# Altium PCB PCB_SDR.PcbDoc (part 5 of 6) (continued)
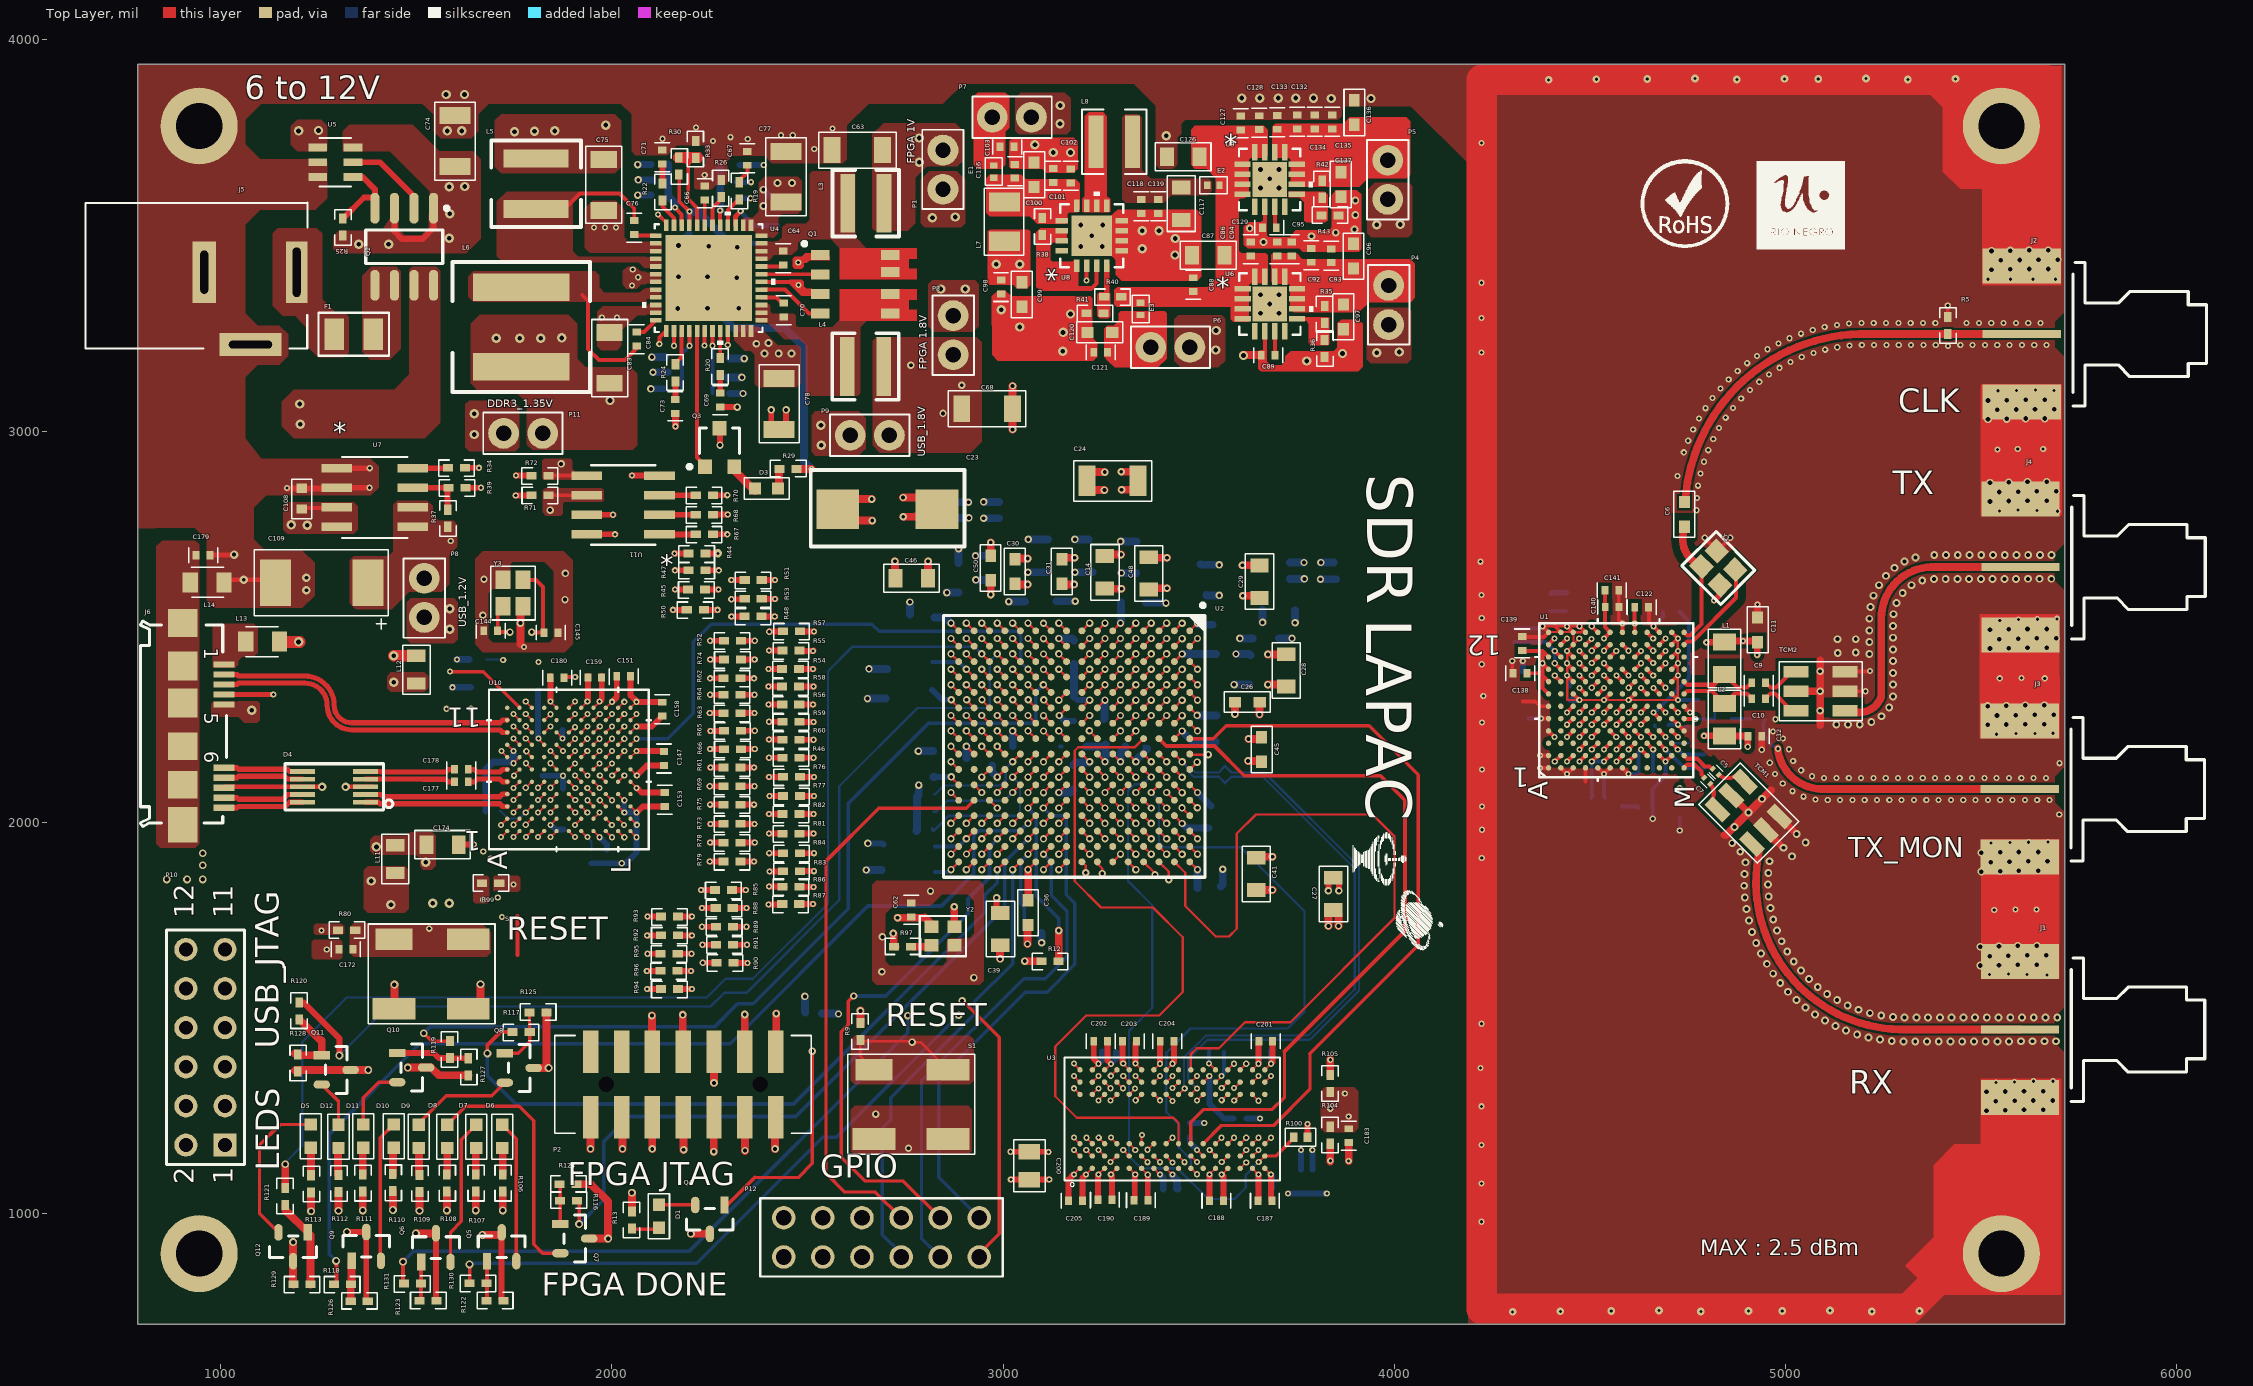
[diagram p0: Top Layer view]
## Nets (pads, with @x,y where several pads share a name; then routed paths per layer and width w, separated by ;. In a path a pad name is that pad's centre, name@x,y a point inside that pad or via, vN(x,y) a via of type N, cw(c..) or ccw(c..) an arc to the next point about the centre after c; other vN are vias at no path point) (continued)
R_DQ7: R52.2 U10.H9 | length 580.4
  Top Layer w5: U10.H9@1953.15,2229.53 v1(1968.9,2244.88)
  Top Layer w15: v1(2251,2464) R52.2@2286,2464
  Signal 1 w4.15: v1(1968.9,2244.88) 1985,2260.98 1985,2464 2022,2501 2214,2501 v1(2251,2464)
  Signal 2 w4.15: v1@2250,2464 v1(2251,2464)
R_DQ8: R53.2 U10.J10 | length 597.2
  Top Layer w5: U10.J10@1984.65,2261.02 v1(2000.39,2276.38)
  Top Layer w15: v1@2304,2570 v1(2305,2570) 2338.24,2570 R53.2@2339.24,2571 R53.2@2342,2571
  Signal 2 w4.15: v1(2000.39,2276.38) 1985.02,2291.75 1985.02,2428.02 2127,2570 v1(2305,2570)
R_DQ9: R54.2 U10.J9 | length 649
  Top Layer w5: U10.J9@1984.65,2229.53 v1(2000.39,2244.88)
  Top Layer w15: v1(2400,2392) R54.2@2435,2392
  Signal 1 w4.15: v1(2000.39,2244.88) 2015.77,2260.26 2015.77,2409.77 2051,2445 2309,2445 2362,2392 v1(2400,2392)
R_DQ10: R55.2 U10.K11 | length 711.3
  Top Layer w5: U10.K11@2015.75,2292.52 v1(2031.5,2307.87)
  Top Layer w15: v1(2401,2439) R55.2@2438,2439
  Signal 2 w4.15: v1(2031.5,2307.87) 2031.5,2400.5 2126,2495 2252,2495 2282,2465 2282,2382 2292,2372 2322,2372 2336,2386 2336,2425 2351,2440 2400,2440 v1(2401,2439)
R_DQ11: R56.2 U10.L10 | length 590.5
  Top Layer w5: U10.L10@2047.24,2261.02 v1(2062.99,2276.38)
  Top Layer w15: v1(2400,2301) R56.2@2437,2301
  Signal 1 w4.15: v1(2062.99,2276.38) 2079,2292.39 2079,2379 2098,2398 2128,2398 cw(c2147.57,2398) 2167.15,2398 ccw(c2186.72,2400.39) 2206.3,2398 2220,2398 2272,2398 2331,2339 2331,2317 2347,2301 v1(2400,2301)
R_DQ12: R57.2 U10.K10 | length 650.7
  Top Layer w5: U10.K10@2015.75,2261.02 v1(2031.5,2276.77)
  Top Layer w15: v1(2402,2487) 2403,2488 R57.2@2439,2488
  Signal 2 w4.15: v1@2031.77,2276.77 2016.12,2292.42 2016.12,2419.12 2118,2521 2271,2521 2305,2487 v1(2402,2487)
R_DQ13: R58.2 U10.K9 | length 618.7
  Top Layer w5: U10.K9@2015.75,2229.53 v1(2031.5,2244.88)
  Top Layer w15: v1@2399,2347 v1(2400,2347) ; v1@2405,2347 R58.2@2435,2347
  Signal 1 w4.15: v1@2031.88,2244.88 2047.62,2260.62 2047.62,2402.62 2079,2434 2270,2434 2357,2347 v1(2400,2347)
R_DQ14: R59.2 U10.J8 | length 620.3
  Top Layer w5: U10.J8@1984.25,2198.03 v1(2000,2213.39)
  Top Layer w15: v1(2401,2257) R59.2@2436,2257
  Signal 1 w4.15: v1@2000,2216 2013,2229 2080,2229 2094,2243 2094,2336 2123,2365 2221,2365 2240,2346 2268,2346 2357,2257 v1(2401,2257)
  Signal 2 w4.15: v1@2400,2258 v1(2401,2257)
R_DQ15: R60.2 U10.G8 | length 685.9
  Top Layer w5: U10.G8@1921.26,2198.03 v1(1937.01,2213.39)
  Top Layer w15: v1@2400,2212 v1(2401,2212) R60.2@2433,2212
  Signal 1 w4.15: v1(1937.01,2213.39) 1952.39,2198 2084,2198 2109,2223 2109,2309 2138,2338 2212,2338 2241.71,2308.29 2261.71,2308.29 2358,2212 v1(2401,2212)
R_DQ16: R81.2 U10.K2 | length 597.7
  Top Layer w5: U10.K2@2015.75,2009.06 v1(2031.1,1993.31)
  Top Layer w15: v1(2401,1971) 2439,1971 2440,1972 R81.2@2441,1971
  Signal 2 w4.15: v1@2031.69,1993.31 2047,1978 2089,1978 2128,2017 2164,2017 2179,2002 2179,1919 2218,1880 2272,1880 2363,1971 v1(2401,1971)
R_DQ17: R82.2 U10.J4 | length 669.3
  Top Layer w5: U10.J4@1984.65,2072.05 v1(2000,2056.3)
  Top Layer w15: v1@2400,2021 v1(2401,2021) R82.2@2434,2021
  Signal 1 w4.15: v1@2000.54,2056.54 2016.21,2040.88 2074.88,2040.88 2146,2112 2167,2112 2183,2096 2183,2033 2199,2017 2256,2017 2280,2041 2280,2075 2296,2091 2320,2091 2339,2072 2339,2036 2354,2021 v1(2401,2021)
R_DQ18: R83.2 U10.K1 | length 656.6
  Top Layer w5: U10.K1@2015.16,1977.46 2015.39,1977.21 v1@2030.51,1961.71
  Top Layer w15: v1@2404,1874 2441,1874 R83.2@2442,1875
  Signal 1 w4.15: v1@2030.84,1961.16 2031.84,1961.16 2050,1943 2079,1943 2110,1974 2110,2020 2123,2033 2138,2033 2152,2019 2152,2000 2225,1927 2261,1927 2276,1942 2276,1959 2287,1970 2309,1970 2325,1954 2325,1903.31 2354.31,1874 v1(2403,1874)
  other v1: 2031.5,1961.81
R_DQ19: R84.2 U10.J2 | length 666.3
  Top Layer w5: U10.J2@1984.25,2009.06 v1(1999.61,1993.31)
  Top Layer w15: v1@2401,1921 v1(2402,1921) R84.2@2442,1921
  Signal 1 w4.15: v1@1999.69,1993.31 2015.37,1977.63 2073.63,1977.63 2091,1995 2091,2031 2127,2067 2153,2067 2168,2052 2168,2020 2214,1974 2260,1974 2293,2007 2325,2007 2343,1989 2343,1938 2360,1921 v1(2402,1921)
R_DQ20: R85.2 U10.J3 | length 578.4
  Top Layer w5: v1(1968.9,2056.3) U10.J3@1984.25,2040.55
  Top Layer w15: v1@2227,1827 v1(2228,1827) R85.2@2262,1827
  Signal 2 w4.15: v1@1968.3,2056.3 1953.13,2041.13 1953.13,1944.13 1942,1933 1942,1862 1974,1830 2125,1830 2147,1808 2209,1808 v1(2228,1827)
R_DQ21: R86.2 U10.J1 | length 559.3
  Top Layer w5: U10.J1@1983.66,1977.46 1983.9,1977.21 v1@1999.02,1961.71
  Top Layer w15: v1(2401,1836) 2440,1836 R86.2@2441,1835
  Signal 2 w4.15: v1(2000,1961.81) 2000,1887 2032,1855 2355,1855 2374,1836 v1(2401,1836)
R_DQ22: R87.2 U10.H2 | length 634.2
  Top Layer w5: U10.H2@1952.76,2009.06 v1@1968.5,2024.41
  Top Layer w15: v1(2400,1790) 2433,1790 R87.2@2434,1791
  Signal 1 w4.15: v1@1968.5,2024.5 1984,2009 1984,1940 2002,1922 2164,1922 2220,1866 2339,1866 2400,1805 v1(2400,1790)
  other v1: 1968.5,2024.8
R_DQ23: R88.2 U10.H3 | length 603.2
  Top Layer w5: v1(1937.4,2056.3) U10.H3@1952.76,2040.55
  Top Layer w15: v1@2229,1781 v1(2230,1781) R88.2@2261,1781
  Signal 2 w4.15: v1(1937.4,2056.3) 1921.41,2040.3 1921.41,1851.59 1962,1811 2108,1811 2138,1781 v1(2230,1781)
R_DQ24: R89.2 U10.F4 | length 657.1
  Top Layer w5: U10.F4@1890.16,2072.05 v1@1905.51,2056.3
  Top Layer w15: v1@2229,1733 v1(2230,1733) 2264.24,1733 R89.2@2264.46,1733.22
  Signal 2 w4.15: v1(1906.03,2056.54) 1906.03,2056.03 1889,2039 1889,1856 1963,1782 2108,1782 2157,1733 v1(2230,1733)
R_DQ25: R90.2 U10.G2 | length 641.1
  Top Layer w5: v1@1905.51,1993.7 U10.G2@1921.26,2009.06
  Top Layer w15: v1(2232,1641) R90.2@2267.24,1641 R90.2@2271,1641
  Signal 1 w4.15: v1(1905.51,1993.31) 1922,1976.82 1922,1928 1999,1851 2116,1851 2137,1830 2137,1695 2191,1641 v1(2232,1641)
R_DQ26: R91.2 U10.G3 | length 665.2
  Top Layer w5: U10.G3@1921.65,2040.55 v1@1936.89,2024.93
  Top Layer w15: v1@2230,1687 v1(2231,1687) R91.2@2270,1687
  Signal 1 w4.15: v1(1937.01,2025.05) 1953,2009.06 1953,1926 2007,1872 2065,1872 2095.5,1902.5 2139.5,1902.5 2158,1884 2158,1721 2192,1687 v1(2231,1687)
R_DQ27: R92.2 U10.F3 | length 668.1
  Top Layer w5: U10.F3@1890.16,2040.55 v1@1905.51,2024.8
  Top Layer w15: v1@2089,1711 v1(2090,1711) R92.2@2125.24,1711 R92.2@2129,1711
  Signal 1 w4.15: v1(1906.03,2025.05) 1888,2007.02 1888,1826 1972,1742 1991,1742 2010,1761 2010,1812 2027,1829 2054,1829 2070,1813 2070,1731 v1(2090,1711)
R_DQ28: R93.2 U10.F5 | length 562.9
  Top Layer w5: U10.F5@1890.16,2103.54 v1@1905.51,2087.8
  Top Layer w15: v1@2090,1759 v1(2091,1759) 2124.24,1759 R93.2@2124.46,1759.22
  Signal 2 w4.15: v1(1906.03,2088.04) 1875,2057 1875,1847 1963,1759 v1(2091,1759)
R_DQ29: R94.2 U10.E1 | length 586.2
  Top Layer w5: v1(1842.52,1962.21) U10.E1@1858.27,1977.56
  Top Layer w15: v1(2090,1574) R94.2@2129,1574
  Signal 1 w4.15: v1@1844,1960.73 1843,1959.73 1843,1760 2029,1574 v1(2090,1574)
R_DQ30: R95.2 U10.E5 | length 645.3
  Top Layer w5: v1(1842.52,2088.19) U10.E5@1858.27,2103.54
  Top Layer w15: v1(2091,1664) 2123.24,1664 R95.2@2123.46,1664.22
  Signal 1 w4.15: v1(1842.52,2088.19) 1868,2062.71 1868,1780 1984,1664 v1(2091,1664)
  Signal 2 w4.15: v1@2090,1664 v1(2091,1664)
R_DQ31: R96.2 U10.E4 | length 605.1
  Top Layer w5: v1(1842.52,2056.69) U10.E4@1858.27,2072.05
  Top Layer w15: v1(2089,1620) 2122.24,1620 R96.2@2122.46,1620.22
  Signal 2 w4.15: v1(1842.52,2056.69) 1859,2040.21 1859,1833 2073,1619 2088,1619 v1(2089,1620)
R_PCLK: R61.2 U10.J6 | length 463.3
  Top Layer w5: U10.J6@1984.65,2135.04 v1(2000.39,2150.39)
  Top Layer w15: v1@2251,2140 v1(2252,2140) R61.2@2283,2140
  Signal 1 w4.15: v1(2000.39,2150.39) 2089.39,2150.39 2136,2197 2136,2232 2156,2252 2215,2252 2234,2233 2234,2156 v1@2251,2139
  Signal 2 w4.15: v1@2249,2140 v1@2252,2137
RT: R26.1 U4.42 | length 74.4
  Top Layer w10: U4.42@2256.89,3526.09 2256.89,3569.89 R26.1@2278.5,3591.5
RX_SMA: J1.1 TCM1.3 | length 982.5
  Top Layer w19.67: 4928.52,1905.43 ccw(c5301,1847.46) 5312.52,1470.68 ; 4928.51,1905.59 TCM1.3@4932.02,1928.15 ; 5301,1470.5 J1.1@5598.85,1470.5
RXA_N: C5.1 TCM1.6 | length 45
  Top Layer w10.5: C5.1@4828.82,2121.05 ccw(c4852.13,2150.15) TCM1.6@4871,2118
RXA_P: C7.1 TCM1.4 | length 46.5
  Top Layer w10.5: C7.1@4807,2098 cw(c4781.43,2074.61) TCM1.4@4810,2055
SHORT_RX_VCO: C1.1 R3.1 U1.G2 U1.G3 | length 44.5
  Top Layer w10: v1@4566.93,2154.72 U1.G2@4582.68,2170.47 ; v1@4566.93,2186.22 U1.G3@4582.68,2201.97
  other v1: 4567.13,2154.92 4567.13,2186.42
SHORT_TX_VCO: C2.1 R4.1 U1.A11 U1.B11 | length 84
  Top Layer w10: U1.A11@4393.7,2453.94 v1@4409.45,2469.69 ; U1.B11@4425.2,2453.94 v1@4440.94,2469.69
  Bottom Layer w10: R4.1@4398.39,2539.28 C2.1@4437.86,2539.28
  other v1: 4409.25,2469.49 4440.75,2469.49
SPI_CLK: U1.J5 U2.A7 | length 2126.4
  Top Layer w6: U2.A7@3476.77,2253.15 v2(3496.46,2233.47)
  Top Layer w10: v1@4629.88,2249.39 v1(4630.08,2249.59) 4645.56,2265.07 U1.J5@4645.63,2265.14
  Signal 1 w4.15: v1@4630.08,2249.23 v1(4630.08,2249.59)
  Signal 2 w4.15: v2(3496.46,2233.47) 3672.53,2233.47 3981,1925 3981,1704 4040,1645 4547.85,1645 4645.37,1742.52 4645.37,2234.3 v1(4630.08,2249.59)
SPI_DI: U1.J4 U2.F4 | length 2514.8
  Top Layer w6: U2.F4@3279.92,2371.26 v2(3299.61,2390.94)
  Top Layer w10: U1.J4@4645.67,2233.46 v1(4661.22,2217.91) v1@4661.42,2217.72
  Signal 2 w4.15: v2@3299.61,2390.39 v2(3299.61,2390.94) 3278,2369.34 3278,2226 3288,2216 3597,2216 3958,1855 3958,1693 4033,1618 4572.85,1618 4675.84,1720.99 4675.84,2202.74 4661.22,2217.37 v1(4661.22,2217.91)
SPI_DO: U1.L6 U2.H5 | length 2778.6
  Top Layer w6: U2.H5@3201.18,2331.89 v2(3220.87,2351.57)
  Top Layer w10: U1.L6@4708.66,2296.46 v1(4724.21,2280.91) v1@4724.41,2280.71
  Signal 2 w4.15: v2@3220.87,2351.13 v2(3220.87,2351.57) 3219.57,2351.57 3197,2329 3197,2215 3217,2195 3533,2195 3913,1815 3913,1662 4026,1549 4618.85,1549 4745.85,1676 4745.85,2259.27 v1(4724.21,2280.91)
SPI_EN: U1.K6 U2.G5 | length 2634.7
  Top Layer w6: U2.G5@3240.55,2331.89 v2(3260.24,2351.57)
  Top Layer w10: U1.K6@4677.17,2296.46 v1(4692.71,2280.91)
  Signal 2 w4.15: v2@3260.24,2349.76 v2@3260.24,2351.38 ; v1(4692.71,2280.91) 4708.85,2264.77 4708.85,1690 4602.85,1584 4031,1584 3935,1680 3935,1817 3546,2206 3268,2206 3243.58,2230.42 3243.58,2334.72 v2@3260.24,2351.38 ; v2@3260.24,2351.38 3260.43,2351.57 v2(3260.24,2351.57) v2@3260.24,2351.38
SSRX_N: D4.10 J6.10 | length 206.5
  Top Layer w13: J6.10@1008.54,2037.03 1041.62,2037.03 1045.41,2040.83 1166.08,2040.83 1176.47,2051.21 D4.10@1209.2,2051.21
SSRX_P: D4.9 J6.9 | length 207.2
  Top Layer w13: J6.9@1008.54,2062.62 1041.62,2062.62 1045.41,2058.83 1158.63,2058.83 1170.7,2070.9 D4.9@1209.2,2070.9
SSTX_N: D4.6 J6.6 | length 204.6
  Top Layer w13: J6.6@1008.54,2139.39 1041.62,2139.39 1045.41,2135.6 1170.82,2135.6 1176.47,2129.95 D4.6@1209.2,2129.95
SSTX_P: D4.7 J6.7 | length 205.3
  Top Layer w13: J6.7@1008.54,2113.8 1041.62,2113.8 1045.41,2117.6 1163.37,2117.6 1170.7,2110.27 D4.7@1209.2,2110.27
SW1: C64.2 L3.1 Q1.7 Q1.8 U4.33 U4.34 U4.35
SW2: C70.2 L4.1 Q1.5 Q1.6 U4.25 U4.26 U4.27
SW3: C76.2 L5.1 U4.4 U4.5 | length 230
  Top Layer w10: L5.1@1889,3578 1918,3607 2019,3607 2057,3569 C76.2@2057,3534.72
SW4: C84.2 L6.1 U4.8 U4.9 | length 299.5
  Top Layer w10: 1924,3348 1939,3333 1939,3209 1967,3181 2033,3181 2063,3211 C84.2@2063,3217.28
SYNC/MODE: R30.1 R33.1 U4.44 | length 172.2
  Top Layer w10: 2195,3689 2195,3593 2217.52,3570.48 U4.44@2217.52,3526.09
SYNC_IN_F: U1.H5 U2.D6 | length 2792.2
  Top Layer w6: U2.D6@3358.66,2292.52 v2(3378.35,2312.2)
  Top Layer w10: v1@4598.43,2249.21 v1(4598.62,2249.41) U1.H5@4614.17,2264.96
  Signal 1 w4.15: v2(3378.35,2312.2) 3378.35,2310.65 3399,2290 3399,2212 3416,2195 3526,2195 3744,1977 3744,1494 3827,1411 4544,1411 4613.85,1480.85 4613.85,2232.54 4598.62,2247.77 v1(4598.62,2249.41)
TX_MON: R6.2 R7.2 U1.M5 | length 124.5
  Top Layer w10: U1.M5@4740.16,2264 v1(4768.99,2264) v1@4769.27,2264
  Bottom Layer w7.43: v1(4768.99,2264) R6.2@4817.57,2264 ; R6.2@4818.57,2265 R7.2@4818.57,2311.8
TX_SMA: J4.1 TCM2.3 | length 731.2
  Top Layer w19.67: TCM2.3@5163,2286 ccw(c5187.5,2340.5) 5243.55,2319.8 ; 5244,2321.62 5244,2518.26 ; 5244,2524.5 ccw(c5370.73,2524.5) 5244.03,2521.9 ; 5244.27,2521.26 cw(c5375.39,2521.26) 5383.84,2652.1 ; 5380.43,2652.5 J4.1@5600,2652.5
TXA_N: C9.1 TCM2.6 | length 73.3
  Top Layer w10.5: C9.1@4948.57,2357 4961.32,2344.25 4974.98,2344.25 TCM2.6@5004.36,2373.64
TXA_P: C10.1 TCM2.4 | length 75.2
  Top Layer w10.5: C10.1@4948.57,2316 4961.32,2328.75 4971.98,2328.75 TCM2.4@5004.86,2295.86
TXMON_SMA: C8.2 J3.1 | length 774.4
  Top Layer w9.28: J3.1@5596,2085 J3.1@5598,2087
  Top Layer w19.67: v4@4979.39,2189.56 ccw(c5094.56,2200.5) 5101,2085 ; 5096,2085 J3.1@5596,2085
  Bottom Layer w8.96: C8.2@4946,2265 ccw(c5002.5,2244.5) v4@4982,2188
  other v4: 4980,2188
TXNRX: U1.H4 U2.E6 | length 2958.4
  Top Layer w6: U2.E6@3319.29,2292.52 v2(3338.98,2312.2)
  Top Layer w10: U1.H4@4614.17,2233.46 v1(4629.72,2217.91) v1@4629.92,2217.72
  Signal 1 w4.15: v2(3338.98,2312.2) 3338.98,2311.02 3360,2290 3360,2207 3392,2175 3500.05,2175 3517.57,2157.48 3531.52,2157.48 3718,1971 3718,1433 3801,1350 4585,1350 4645,1410 4645,2202.85 4629.94,2217.91 v1(4629.72,2217.91)
U3RXVDDQ: C170.2 C171.1 L10.2 U10.A2 | length 22.9
  Top Layer w5: v1@1716.38,1993.55 1732.12,2008.9 U10.A2@1731.46,2009.58
  other v1: 1716,1993.03
  other v6: 1542,1793.03 1584,1793.03
U3TXVDDQ: C173.2 C174.1 L11.2 U10.B5 | length 22.3
  Top Layer w5: v1(1748.03,2087.8) U10.B5@1763.78,2103.54
  other v6: 1524,1898 1398,1937
VBUS: C180.1 L13.1 Q2.7 Q2.8 U5.1 U10.E11 | length 143
  Top Layer w5: C180.1@1840.5,2376 C180.1@1842.52,2373.98 ; v1(1842.52,2308.27) U10.E11@1858.27,2292.52
  Top Layer w15: v1(1842.52,2308.27) C180.1@1842.52,2373.98
  Top Layer w30: L13.1@1150.31,2462.03 1151.34,2461 v6@1202,2461
  other v6: 1199,2461 1203,3017 1202,3069 1199,3767 1250,3768
VDD_ADP5054: C66.2 U4.43 | length 64.3
  Top Layer w10: C66.2@2237,3590.28 2237.2,3590.08 U4.43@2237.2,3526.09
VDD_INTERFACE: C122.2 C123.2 C124.2 C125.2 P6.2 R1.1 U1.H12 | length 62.4
  Top Layer w10: v1(4613.97,2507.63) C122.2@4613.97,2548 ; U1.H12@4614.17,2485.43 v1@4614.17,2507.43
  other v6: 3543,3207 3544,3257
VDD_INTERFACE_OUT: C120.2 C121.2 E3.2 P6.1
VDDA_GPO: C104.2 C105.2 C106.2 C107.2 P7.2 U1.B8 | length 22.3
  Top Layer w10: v1@4409.45,2375.19 U1.B8@4425.2,2359.45
  other v1: 4409.65,2375
  other v6: 3145,3785 3146,3832
VDDA_GPO_OUT: C103.2 E1.2 P7.1
VDDR: C39.1 C41.1 C42.1 C43.1 C44.1 C45.1 C61.1 C183.1 C186.1 C187.1 C188.1 C189.1 C190.1 C193.1 C194.1 C195.1 C196.1 C200.1 C201.1 C202.1 C203.1 C204.1 C205.1 C206.1 C207.1 P11.2 R104.1 U2.A16 U2.B13 U2.C10 U2.E14 U2.H15 U2.J12 U3.A1 U3.A8 U3.B2 U3.C1 U3.C9 U3.D2 U3.D9 U3.E9 U3.F1 U3.G7 U3.H2 U3.H9 U3.K2 U3.K8 U3.N1 U3.N9 U3.R1 U3.R9 | length 1950.7
  Top Layer w5: v1@3180.43,1100.12 U3.A1@3196.13,1115.43 ; v1@3180.77,1351.65 3180.82,1351.59 U3.A8@3196.13,1335.9 ; v1@3212.27,1162.67 v1(3212.27,1162.57) U3.B2@3227.62,1146.92 ; v1@3243.37,1100.07 3243.42,1100.12 U3.C1@3259.12,1115.43 ; U3.C9@3259.89,1366.89 3260,1367 v1@3275.59,1382.2 ; v1@3274.25,1131.65 3274.3,1131.7 U3.D2@3290,1147 ; v1@3274.87,1352.04 3274.92,1352.09 U3.D9@3290.61,1367.39 ; v1@3306.76,1383.14 3306.81,1383.09 U3.E9@3322.11,1367.39 ; U3.F1@3354.03,1114.82 3369.34,1099.12 3369.39,1099.07 v1(3369.39,1099.17) ; U3.G7@3385,1305 3385.35,1304.64 3400.3,1289.3 v1@3400.35,1289.25 ; U3.H9@3416.6,1367.39 3432.29,1382.7 v1@3432.35,1382.75 ; U3.H2@3417,1146 3432.3,1130.3 v1@3432.35,1130.25 ; U3.K8@3479.59,1335.9 3495.29,1351.2 v1@3495.34,1351.25 ; U3.K2@3480,1147 3495.3,1131.3 v1@3495.35,1131.25 ; v1@3558.25,1099.65 3558.3,1099.7 U3.N1@3574,1115 ; U3.N9@3574.08,1367.39 3589.77,1382.7 v1@3589.83,1382.75 ; U3.R1@3637.07,1115.43 v1@3652.37,1099.73 ; U3.R9@3637.07,1367.39 3652.77,1382.7 v1@3652.82,1382.75
  Top Layer w6: v2(3142.13,2036.61) U2.J12@3161.81,2056.3 ; U2.H15@3201.18,1938.19 v2(3220.87,1918.5) ; U2.E14@3319.29,1977.56 v2(3338.98,1957.87) ; U2.C10@3398.03,2135.04 v2(3417.72,2115.35) ; U2.B13@3437.4,2016.93 v2@3457.09,1997.24 ; U2.A16@3476.77,1898.82 v2(3496.46,1879.13)
  Top Layer w15: v2(2983,1807) 2983,1783.34 C39.1@2998,1768.34 ; v1(3019.33,1087) v1(3117.67,1087) ; C205.1@3167.28,1033 3167.28,1086.98 v1@3180.43,1100.12 ; C190.1@3242.28,1035 3242.28,1098.88 v1(3243.47,1100.07) ; C202.1@3266.72,1440 3266.72,1391.07 v1(3275.54,1382.25) ; v1@3305.28,1384.62 C203.1@3305.28,1440 ; C189.1@3369.39,1032 v1@3369.39,1099.07 ; v1@3432.34,1382.75 3436.72,1387.12 C204.1@3436.72,1440 ; v1(3558.35,1099.65) 3562.72,1095.28 C188.1@3562.72,1033 ; C187.1@3651.28,1033 3652.37,1034.09 v1@3652.37,1099.73 ; v1(3652.72,1382.75) C201.1@3652.72,1436.43
  Top Layer w20: v2(3627,2213) 3656,2213 C45.1@3657,2212 ; C41.1@3639,1912 v2(3688,1912) ; v1@3836,1133 R104.1@3836,1177.24 ; v1(3883,1134) C183.1@3883,1179.32
  Bottom Layer w5: C186.1@3777,1050.57 3777.43,1051 C186.1@3777.86,1051.43
  Bottom Layer w5.91: v2(3496.46,1879.13) v2(3496.46,1879.13)
  Bottom Layer w15: v2(2654,1946) 2691.5,1946 C44.1@2694,1943.5 ; C206.1@3168.28,1060 3168.28,1087.88 v1(3180.48,1100.07) ; C194.1@3242.28,1065 3242.28,1098.88 v1(3243.47,1100.07) ; v1(3275.54,1382.25) 3288,1394.71 C207.1@3288,1413 ; C196.1@3370.72,1065 v1@3370.72,1097.84 ; C195.1@3562.72,1066 v1@3562.72,1095.28 ; C193.1@3651.28,1065 v1@3651.28,1098.64 ; v1(3652.72,1382.75) C61.1@3652.72,1414 ; v1(3727.86,1051) 3777.43,1051 v1(3827,1051)
  Bottom Layer w17.54: v2(3457.33,1997) 3469.33,1985 C42.1@3525.5,1985
  Bottom Layer w20: C43.1@3496.5,1832 v2(3496.46,1879.13)
  other v1: 3652.42,1099.78 3432.35,1130.35 3495.35,1131.35 3274.35,1131.65 3836,1135 3400.35,1289.35 3495.24,1351.25 3180.77,1351.54 3274.97,1352.04 3306.76,1383.04 3432.39,1382.75 3589.72,1382.75
  other v6: 1648,2991 1648,3044
VDDR_VREF: C181.1 C182.1 C183.2 R104.2 R105.1 U3.H1 U3.M8 | length 147.1
  Top Layer w5: U3.H1@3417,1115 3432.3,1099.3 v1@3432.35,1099.25 ; U3.M8@3542.58,1335.9 3542.69,1336 3558.28,1351.2 v1@3558.33,1351.25
  Bottom Layer w10: v1(3558.23,1351.25) 3564,1357.02 C181.1@3564,1413
  Bottom Layer w20: v1@3432.35,1097 3444,1085.35 3444,1064.28 C182.1@3445,1063.28
  other v1: 3432.35,1099.35 3883,1248 3836,1268 3873,1307
VEXTERN: F1.2 Q2.5 Q2.6
VIN: R38.2 U8.1 U8.3 U8.14 U8.15 | length 156.1
  Top Layer w10: U8.1@3187.47,3422.48 3187.47,3370.05 3192.39,3365.13 ; 3226.84,3365.13 3238.65,3376.94 U8.3@3238.65,3422.48
  Top Layer w10.24: 3192.39,3365.13 3226.84,3365.13
VREG: C81.1 R29.2 R30.2 U4.45 | length 1068.9
  Top Layer w10: R30.2@2172,3650.24 2172,3587 v1(2197.83,3561.17) U4.45@2197.83,3526.09 U4.45@2197,3526.92
  Top Layer w20: R29.2@2471.76,2903 v1(2510,2903)
  Bottom Layer w10: v1@2196.67,3560 v1@2197,3559.67
  Bottom Layer w17.54: C81.1@2197,3542.72 v1@2197,3559.67
  Bottom Layer w20: v1@2196.67,3560 2221,3560 2283,3498 2283,3292 2312,3263 2442,3263 2491,3214 2491,2922 v1(2510,2903)
VSYS: C74.2 C77.2 C78.2 C79.2 C80.2 Q2.1 Q2.3 R25.2 R114.2 U4.6 U4.7 U4.22 U4.23 U4.24 U4.36 U4.37 U4.38 U5.6 | length 292.9
  Top Layer w15: Q2.3@1444,3569.43 1444,3510 1463,3491 1516,3491 1544,3519 Q2.1@1544,3569.43
  Bottom Layer w15: v7(2387,3617) 2424,3580 R114.2@2424,3568.76
  other v4: 2051,3372 2067,3393 2053,3413
  other v6: 1353,3477 1429,3477 1584,3493 1585,3555 1584,3624 1624,3625
  other v7: 2390,3198 2426,3198 2459,3198 2369,3223 2400,3225 2387,3575 2423,3634 2460,3634
XTAL_N: C6.1 U1.M12 Y1.3 | length 340.5
  Top Layer w6: U1.M12@4740.16,2485.43 U1.M12@4743.16,2488.43 ; Y1.3@4775,2644.48 Y1.3@4784.7,2654.18
  Top Layer w10.5: U1.M12@4740.16,2485.43 4748.16,2477.43 4755,2477.43 4784.7,2507.14 Y1.3@4784.7,2654.18
  Top Layer w19.67: C6.1@4743,2754 ccw(c4810,2724) Y1.3@4780,2657
XTAL_P: U1.M11 Y1.1 | length 255.8
  Top Layer w10.5: U1.M11@4740.16,2453.94 4748.16,2461.93 4761.42,2461.93 4873.29,2573.81 4873.29,2643.53 Y1.1@4871,2645.82
XTALIN: C144.1 U10.C6 Y3.1 | length 475.7
  Top Layer w5: v1(1779.92,2150.79) U10.C6@1795.28,2135.04
  Top Layer w10: C144.1@1710.71,2486 v2(1739,2486) ; C144.1@1710.68,2486.03 1708,2488.71 1708,2539.16 Y3.1@1721.41,2552.57
  Signal 1 w4.15: v2(1739,2486) 1753,2472 1753,2302 1764.15,2290.85 1764.15,2166.56 v1(1779.92,2150.79)
XTALOUT: C145.1 U10.C7 Y3.3 | length 525.2
  Top Layer w5: v1(1781,2181.58) 1795.48,2166.73 U10.C7@1795.67,2166.54
  Top Layer w10: Y3.3@1771.09,2619 1806,2619 1824,2601 1824,2492.72 C145.1@1823,2491.72 ; v2@1795,2485 C145.1@1821,2485
  Signal 1 w4.15: v1@1781,2184 1795.65,2198.65 v2@1795.65,2486
  other v2: 1795,2486
ZQ: R103.1 U3.L8 | length 170.8
  Top Layer w5: U3.L8@3511.09,1335.9 3526.78,1351.2 v1@3526.83,1351.25
  Signal 1 w4.15: v1@3526,1350.52 v1(3526.73,1351.25)
  Bottom Layer w15: v1(3526.73,1351.25) 3526.73,1280.55 3564.28,1243 R103.1@3588.28,1243
pads on no net: P2.12 P2.14 P2.16 P2.17 U1.A3 U1.B3 U1.B4 U1.B5 U1.B6 U1.B7 U1.C3 U1.G7 U1.G10 U1.H1 U1.H11 U1.J1 U1.K1 U1.L1 U1.M3 U1.M9 U1.M10 U2.F15 U2.G7 U2.G11 U2.G15 U2.H8 U2.J7 U2.M12 U2.M15 U2.N12 U2.P11 U2.R10 U3.J1 U3.J9 U3.L1 U3.L9 U3.M7 U3.T7 U6.5 U6.8 U8.16 U9.5 U9.8 U10.A11 U10.C4 U10.D2 U10.D6 U10.D7 U10.D11 U10.E10 U10.F2 U10.G4 U10.L4
copper on no net: | length 99.8
  Top Layer w10: 1758.03,1660.16 1758.03,1760

## Polygon pours and split planes (outlines as drawn)
GND on Top Solder "Bottom Layer-No Net" (solid, remove dead copper): 787,3931 787,3191 792,3186 794,3184 1628,3184 1628,3922 1607,3943 1597,3933 792,3933
3.3V on Signal 1 "3.3V" (solid, remove dead copper, pour order 276): 29 vertices, not listed, extent 787,717 2280,1979
1.8V on Signal 1 "a" (solid, remove dead copper, pour order 222): 25 vertices, not listed, extent 1940,2919 2967,3700
FPGA_DONE on Signal 1 "Bottom Layer-No Net" (solid, remove dead copper, pour order 142): 2495,1418 2504,1427 2524,1427 2529,1422 2534,1417 2533,1412 2524,1403 2504,1403 2499,1408 2495,1412
U3RXVDDQ on Signal 1 "Bottom Layer-No Net" (solid, remove dead copper, pour order 67): 21 vertices, not listed, extent 1471.48,1775 1724,2003.03
CVDDQ on Signal 1 "Bottom Layer-No Net" (solid, pour order 52): 31 vertices, not listed, extent 1410,2111 1759.02,2383.03
U3TXVDDQ on Signal 1 "Bottom Layer-No Net" (solid, remove dead copper, pour order 56): 23 vertices, not listed, extent 1387,1877.02 1756.02,2096.03
VBUS on Signal 1 "a" (solid, remove dead copper, pour order 212): 39 vertices, not listed, extent 787.4,2294 1865,3937.01
1.35V on Signal 1 "a" (solid, remove dead copper, pour order 224): 1532,3418 2112,3418 2165,3365 2165,3059 2165,2978 2124,2937 2071,2937 1599,2937 1523,2937 1467,2993 1467,3137 1467,3302 1467,3351 1534,3418
GND on Top Layer "GND" (solid, remove dead copper, pour order 290): 5085,2325 5084,2326 5084,2426.46 5214,2426.46 5214,2393 5216,2391 5216,2320 5087,2320 5086,2319 5083,2322 5083,2395
GND on Top Layer "GN" (solid, remove dead copper, pour order 270): 1052.5,3721.5 1059.06,3735.94 1101,3694 1267,3694 1272,3689 1272,3606 1272,3595 1253,3576 1242,3565 1136,3565 1101,3565 1055,3519 1041,3689 1050,3716
VBUS on Top Layer "VBUS" (solid, remove dead copper, pour order 268): 1179,3732 1196,3715 1213,3715 1272,3714 1272,3780 1256.5,3795.5 1196,3795.5 1179,3778.5
VSYS on Top Layer "VSYS" (solid, remove dead copper, pour order 264): 38 vertices, not listed, extent 1287.5,3455 1664,3783
GND on Top Layer "GND" (solid, remove dead copper, pour order 266): 1495,3856 1545,3808 1545,3806 1545,3765 1562,3748 1637,3748 1640,3748 1656,3764 1658,3766 1658,3809 1658,3810 1705,3856
VBUS on Top Layer "VEXTERN" (solid, remove dead copper, pour order 262): 26 vertices, not listed, extent 1156,2981 1561,3420
VEXTERN on Top Layer "VEXTERN" (solid, remove dead copper, pour order 260): 1362,3274 1362,3397 1385,3420 1438,3420 1448,3420 1459,3409 1460,3408 1460,3293 1460,3210 1440,3190 1432,3182 1389,3182 1382,3182 1362,3202 1362,3276
JACK_IN on Top Layer "Jack_in" (solid, remove dead copper, pour order 258): 30 vertices, not listed, extent 1133,3189 1327,3518
1.2V_USB on Top Layer "Bottom Layer-No Net" (solid, remove dead copper, pour order 252): 1375.5,1887 1470,1887 1480,1877 1480,1779 1470,1769 1431,1769 1375.5,1769 1365.5,1779 1365.5,1877
3.3V on Top Layer "3.3V" (solid, remove dead copper, pour order 240): 1716.5,3659 1701.5,3674 1700.5,3675 1700.5,3772 1700.5,3794 1716.5,3810 2004.5,3810 2006.5,3810 2022.5,3794 2023.5,3793 2023.5,3680 2023.5,3676 2006.5,3659 1825.5,3659
GND on Top Layer "GND" (solid, remove dead copper, pour order 238): 23 vertices, not listed, extent 1931,3455 2127,3588.5
1.8V on Top Layer "Bottom Layer-No Net" (solid, remove dead copper, pour order 174): 2666.5,3231 2675.5,3240 2873,3240 2913,3240 2932,3240 2945,3227 2945,3204 2945,2972.75 2917.25,2945 2844,2945 2731,2945 2685,2945 2666.5,2963.5
SW1 on Top Layer "Bottom Layer-No Net" (solid, remove dead copper, pour order 172): 31 vertices, not listed, extent 2367,3434 2659.5,3664
VSYS on Top Layer "Bottom Layer-No Net" (solid, remove dead copper, pour order 170): 25 vertices, not listed, extent 2330,3494 2485,3650
1V on Top Layer "Bottom Layer-No Net" (solid, remove dead copper, pour order 168): 17 vertices, not listed, extent 2665,3512 2900.25,3787
SW2 on Top Layer "Bottom Layer-No Net" (solid, remove dead copper, pour order 166): 28 vertices, not listed, extent 2368,3090 2658,3328
VSYS on Top Layer "Bottom Layer-No Net" (solid, remove dead copper, pour order 164): 22 vertices, not listed, extent 2310,3111.5 2482,3270
SW4 on Top Layer "Bottom Layer-No Net" (solid, remove dead copper, pour order 162): 23 vertices, not listed, extent 1632.5,3330 2124,3408.25
VSYS on Top Layer "Bottom Layer-No Net" (solid, remove dead copper, pour order 160): 17 vertices, not listed, extent 2028,3364.25 2124.5,3420
SW3 on Top Layer "Bottom Layer-No Net" (solid, remove dead copper, pour order 158): 21 vertices, not listed, extent 1706,3414 2126,3612
NetJ6_1 on Top Layer "Bottom Layer-No Net" (solid, remove dead copper, pour order 156): 980,2498.03 990,2508.03 1085,2508.03 1095,2498.03 1095,2433.03 1085,2423.03 1055,2423.03 1045,2413.03 1045,2403.03 1035,2393.03 985,2393.03 980,2398.03 980,2498.03 990,2508.03